# Allegro board RK_NVR_DEMO_RK3568_DDR4P216SD4_V12_20201221YWQ_final.brd (continued)
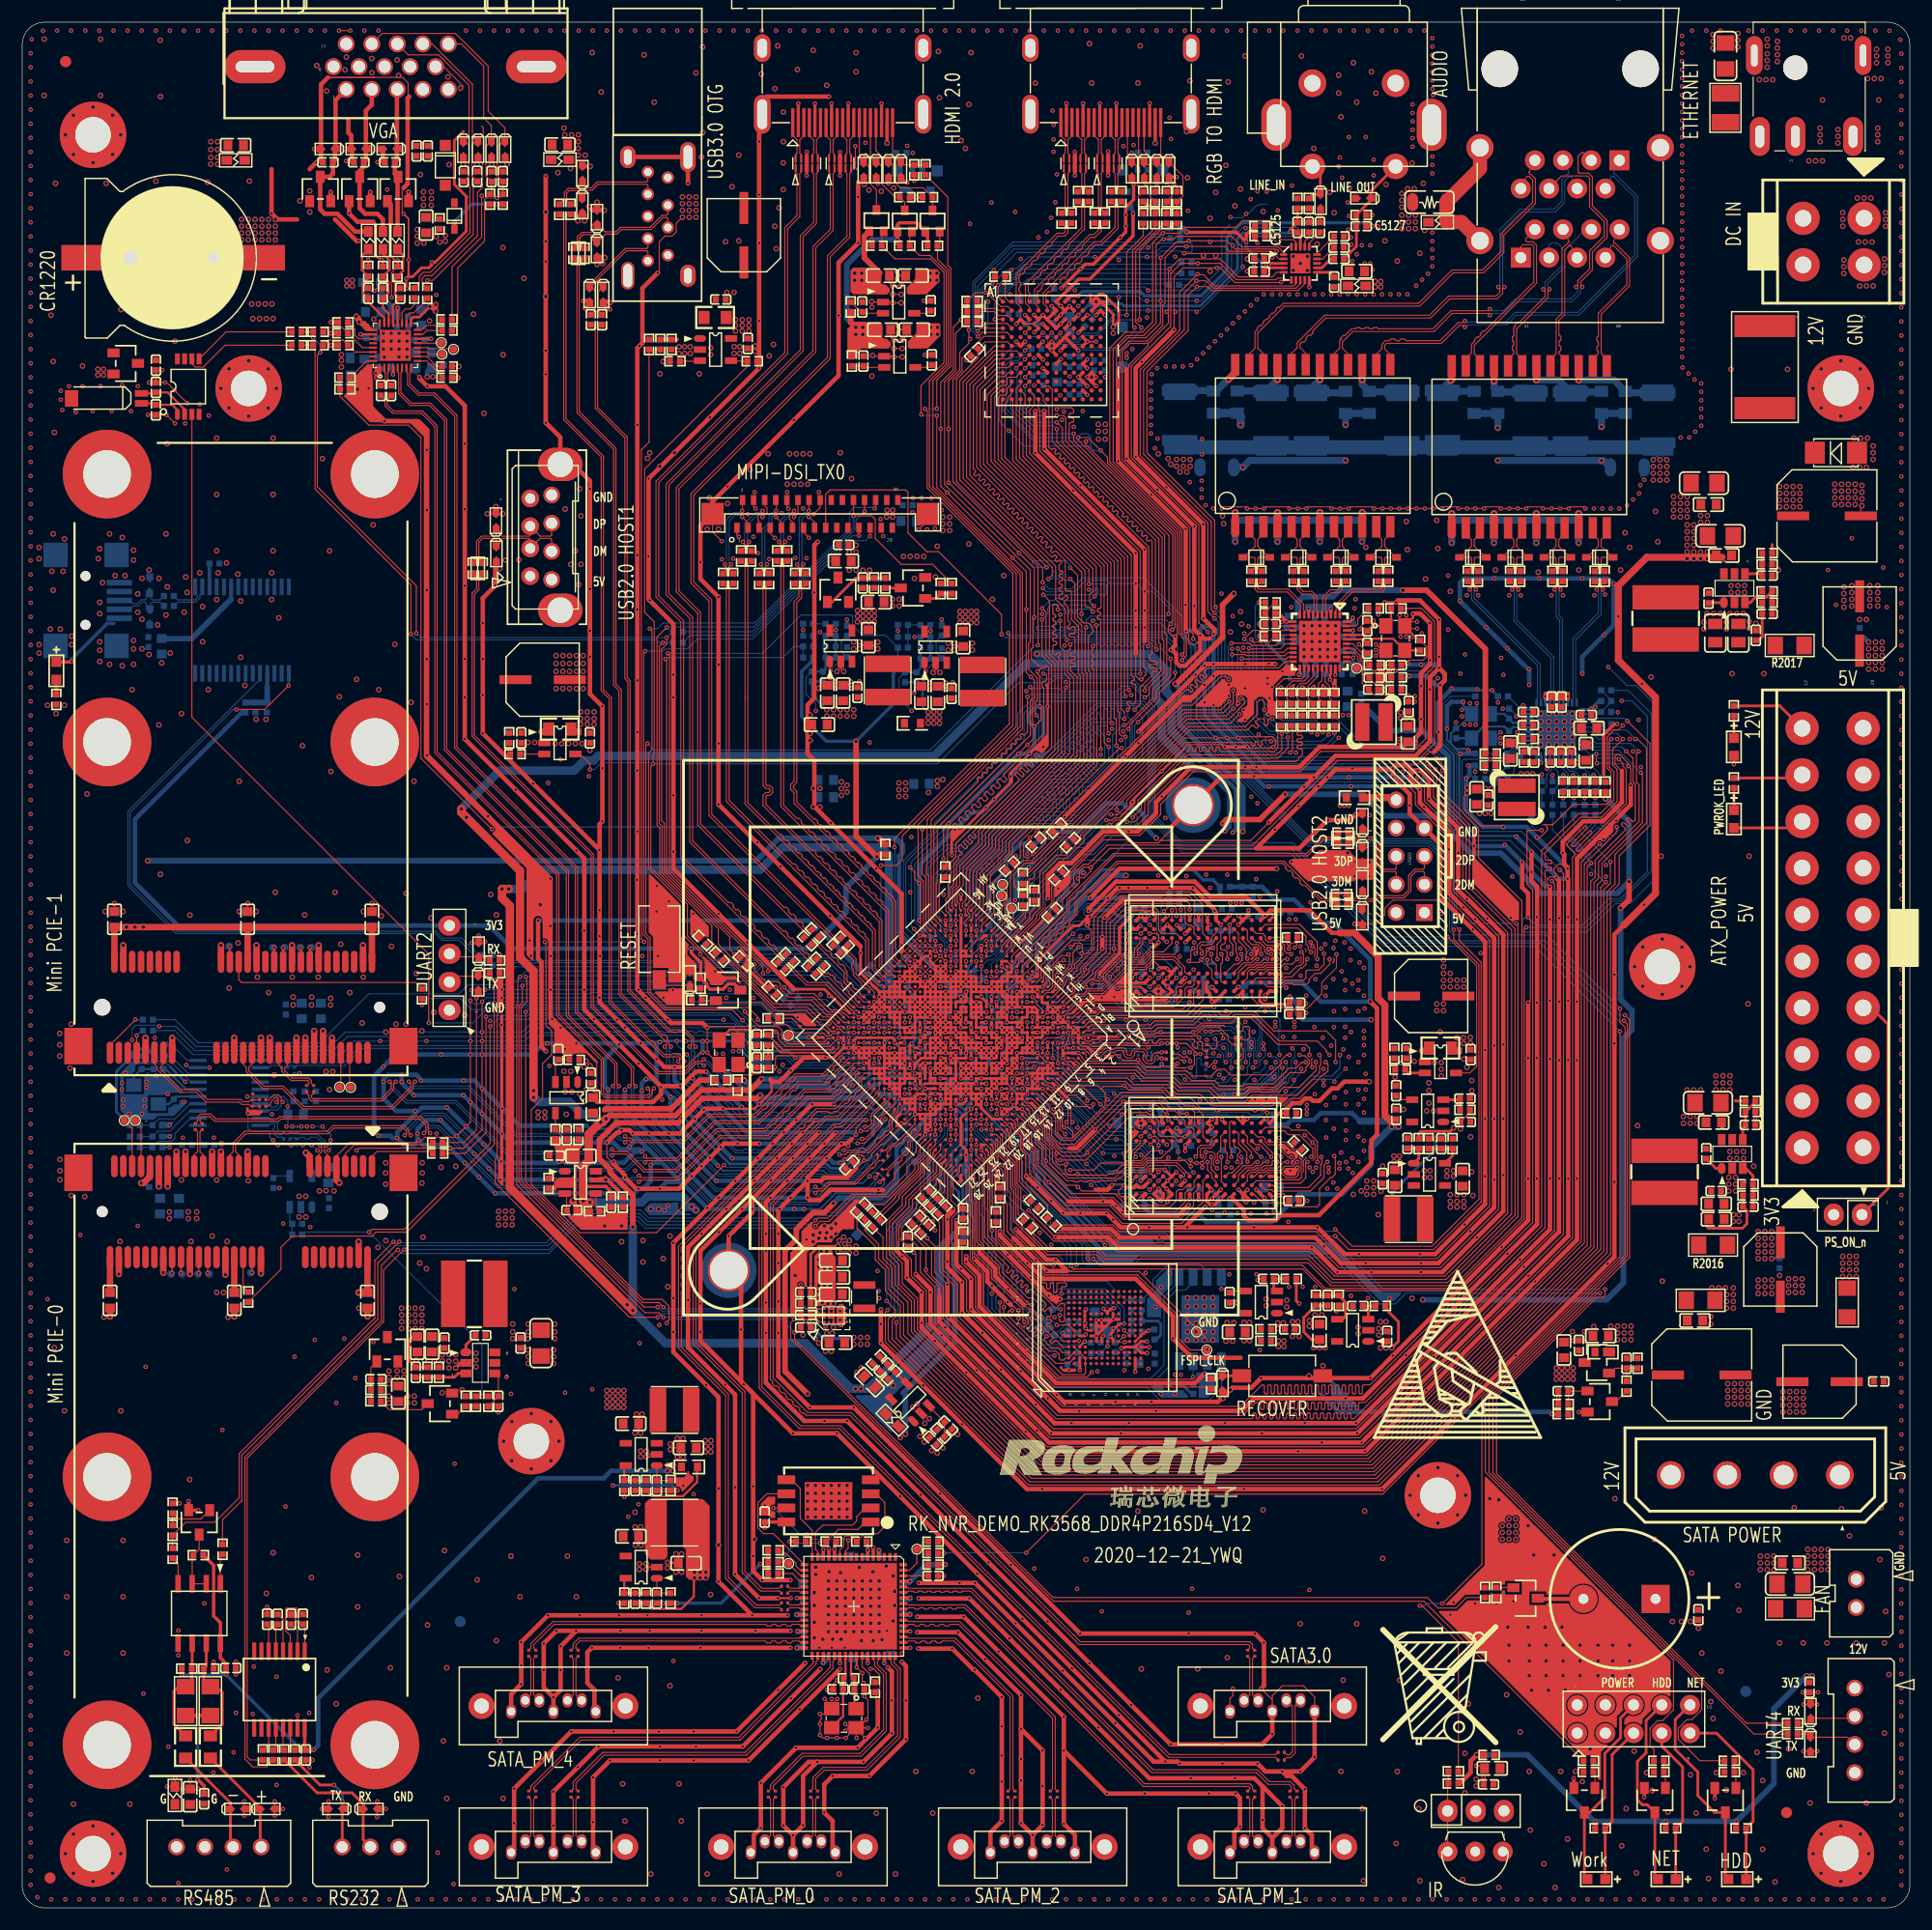
[diagram p0: board, top side]
## Routing (per net, layer and track width the routed paths; a pad name or vN(x,y) marks a point on that pad's centre or on a via; arc(x,y) is an arc through that point) (continued)
LCDC_D2: length 71.6
  TOP w0.102: v1(99.42,109.22) 99.31,109.32 99.31,121.69 90.17,130.84 90.17,135.33 90.37,135.53 90.37,136.37 U5100.L3 ; U1000.AC8 v1(83.66,85.79)
  BOTTOM w0.089: v1(83.66,85.79) 83.2,85.79 82.4,86.59 80.8,86.59 80.02,87.36
  BOTTOM w0.102: 80.02,87.36 79.4,87.99 79.4,94.4 82.22,97.22 82.22,97.82 89.7,105.3 89.7,107.64 91.19,109.12 99.31,109.12 v1(99.42,109.22)
LCDC_D3: length 70.5
  TOP w0.102: U1000.AC7 v1(84.12,86.25) ; v1(98.6,104.77) 98.58,104.8 98.58,107.11 98.4,107.29 98.4,121.31 89.26,130.46 89.26,135.89 U5100.M2
  BOTTOM w0.089: v1(84.12,86.25) 84.27,86.25 84.48,86.46 84.48,88.9 84.99,89.41 84.99,91.94
  BOTTOM w0.102: 84.99,91.94 84.99,93.32 91.39,99.72 91.67,99.72 92,99.39 92.13,99.39 92.22,99.48 92.22,99.61 91.89,99.94 91.89,100.06 91.98,100.15 92.1,100.15 92.43,99.82 92.56,99.82 92.65,99.91 92.65,100.04 92.32,100.37 92.32,100.5 92.41,100.59 92.53,100.59 92.86,100.25 92.99,100.25 93.08,100.34 93.08,100.47 92.75,100.8 92.75,100.93 92.9,101.08 93.31,101.08 93.4,100.99 93.4,100.47 93.49,100.38 93.62,100.38 93.71,100.47 93.71,100.99 93.8,101.08 93.92,101.08 94.01,100.99 94.01,100.37 94.1,100.28 94.23,100.28 94.32,100.37 94.32,100.99 94.41,101.08 94.53,101.08 94.62,100.99 94.62,100.47 94.71,100.38 94.84,100.38 94.93,100.47 94.93,100.99 95.02,101.08 95.14,101.08 95.23,100.99 95.23,100.47 95.32,100.38 95.45,100.38 95.54,100.47 95.54,100.99 95.63,101.08 96.25,101.08 98.7,103.53 98.7,104.64 98.6,104.75 v1(98.6,104.77)
LCDC_D4: length 68.2
  TOP w0.097: U1000.AF5 v1(83.66,88.55)
  TOP w0.102: v1(97.89,105.87) 97.79,105.97 97.79,121.11 88.24,130.66 88.24,135.86 U5100.M1
  BOTTOM w0.102: v1(97.89,105.87) 97.79,105.97 97.79,106.48 97.69,106.58 97.05,106.58 96.95,106.48 96.95,106.2 97.54,105.61 97.54,103.69 97.38,103.53 97.08,103.53 96.77,103.84 96.77,104.44 96.57,104.65 96.37,104.65 96.1,104.38 96.1,104.25 96.38,103.97 96.38,103.85 96.29,103.76 96.16,103.76 95.88,104.04 95.76,104.04 95.67,103.95 95.67,103.82 95.95,103.54 95.95,103.42 95.86,103.33 95.73,103.33 95.45,103.61 95.33,103.61 95.24,103.52 95.24,103.39 95.52,103.11 95.52,102.98 95.43,102.9 95.3,102.9 95.02,103.18 94.89,103.18 94.81,103.09 94.81,102.96 95.09,102.68 95.09,102.55 95,102.46 94.87,102.46 94.59,102.74 94.46,102.74 94.37,102.65 94.37,102.53 94.65,102.25 94.65,102.12 94.57,102.03 94.44,102.03 94.16,102.31 94.03,102.31 93.76,102.04 92.5,102.04 83.54,93.08 83.54,88.67 v1(83.66,88.55)
LCDC_D5: length 69.9
  TOP w0.102: U1000.AF6 v1(83.2,88.09) ; v1(98.2,106.78) 98.09,106.88 98.09,121.21 88.54,130.76 88.54,135.53 88.81,135.8 88.81,136.13 89.16,136.48 U5100.L2
  BOTTOM w0.089: 82.35,89.69 82.35,88.94 v1(83.2,88.09)
  BOTTOM w0.102: v1(98.2,106.78) 98.09,106.88 96.38,106.88 96.28,106.78 96.28,106.65 96.55,106.38 96.55,106.25 96.46,106.16 96.33,106.16 96.06,106.44 95.93,106.44 95.84,106.35 95.84,106.22 96.12,105.95 96.12,105.82 96.03,105.73 95.9,105.73 95.63,106.01 95.5,106.01 95.41,105.92 95.41,105.79 95.69,105.52 95.69,105.39 95.6,105.3 95.47,105.3 95.2,105.58 95.07,105.58 94.98,105.49 94.98,105.36 95.26,105.09 95.26,104.96 95.17,104.87 95.04,104.87 94.77,105.15 94.64,105.15 94.55,105.06 94.55,104.93 94.83,104.65 94.83,104.53 94.74,104.44 94.61,104.44 94.34,104.71 94.21,104.71 94.12,104.62 94.12,104.5 94.39,104.22 94.39,104.1 94.31,104.01 94.18,104.01 93.9,104.28 93.78,104.28 93.69,104.19 93.69,104.07 93.96,103.79 93.96,103.67 93.87,103.58 93.75,103.58 93.47,103.85 93.35,103.85 93.26,103.76 93.26,103.64 93.53,103.36 93.53,103.24 93.44,103.15 93.32,103.15 93.04,103.42 92.92,103.42 92.83,103.33 92.83,103.21 93.1,102.93 93.1,102.8 93.01,102.71 92.89,102.71 92.61,102.99 92.48,102.99 82.35,92.85 82.35,89.69
LCDC_D6: length 69.2
  TOP w0.102: U1000.AD6 v1(84.12,87.17) ; U5100.L1 88.17,136.79 87.63,136.25 87.63,130.45 97.2,120.88 97.2,117.22 97.09,117.11 96.96,117.11 96.88,117.02 96.88,116.9 96.96,116.81 97.09,116.81 97.18,116.72 97.18,116.59 97.09,116.5 96.96,116.5 96.88,116.41 96.88,116.29 96.96,116.2 97.09,116.2 97.18,116.11 v1(97.18,104.44)
  BOTTOM w0.089: v1(84.12,87.17) 84.28,87.32 84.28,87.47 83.15,88.6 83.05,88.6
  BOTTOM w0.102: 83.05,88.6 82.62,89.03 82.62,92.65 92.36,102.38 93.08,102.38 93.32,102.62 93.45,102.62 93.57,102.49 93.7,102.49 93.79,102.58 93.79,102.7 93.66,102.83 93.66,102.96 93.75,103.05 93.88,103.05 94,102.92 94.13,102.92 94.22,103.01 94.22,103.13 94.09,103.26 94.09,103.39 94.18,103.48 94.31,103.48 94.44,103.35 94.56,103.35 94.65,103.44 94.65,103.57 94.52,103.69 94.52,103.82 94.61,103.91 94.74,103.91 94.87,103.78 94.99,103.78 95.08,103.87 95.08,104 94.95,104.12 94.95,104.25 95.04,104.34 95.17,104.34 95.3,104.21 95.42,104.21 95.51,104.3 95.51,104.43 95.39,104.56 95.39,104.68 95.48,104.77 95.6,104.77 95.73,104.64 95.86,104.64 95.94,104.73 95.94,104.86 95.82,104.99 95.82,105.11 95.91,105.2 96.03,105.2 96.16,105.07 96.29,105.07 96.38,105.16 96.38,105.29 96.25,105.42 96.25,105.54 96.65,105.95 96.79,105.95 97.18,105.56 v1(97.18,104.44)
LCDC_D7: length 72.2
  TOP w0.102: v1(93.22,134.52) 93.83,134.52 94.03,134.32 94.03,132.21 102.71,123.53 102.71,114.36 102.87,114.2 102.87,111.35 101.55,110.03 101.55,109.42 101.24,109.12 v1(101.14,109.12) ; U5100.K4 v1(90.36,137.19) ; v1(90.83,110.03) 90.98,109.88 90.98,108.98 90.83,108.83 90.83,105.7 82.45,97.32 82.45,92.4 82.35,92.3 82.35,89.85 82.35,89.4 U1000.AH5
  BOTTOM w0.102: v1(90.36,137.19) 90.36,135.14 90.98,134.52 v1(93.22,134.52) ; v1(101.14,109.12) 100.94,109.32 100.84,109.32 100.03,110.13 99.11,110.13 98.62,109.64 93.71,109.64 93.42,109.93 90.94,109.93 v1(90.83,110.03)
LCDC_D8: length 71.7
  TOP w0.102: U5100.K3 89.96,137.36 89.56,136.96 89.56,130.59 98.7,121.44 98.7,107.9 98.86,107.75 98.86,105.82 99.03,105.64 99.31,105.64 99.39,105.56 v1(99.41,105.56) ; U1000.AB8 v1(84.12,85.33)
  BOTTOM w0.089: 85.29,89.31 84.68,88.7 84.68,86.3 84.28,85.89 84.28,85.48 v1(84.12,85.33)
  BOTTOM w0.102: 85.29,89.31 85.29,93.24 91.11,99.06 92.78,99.06 92.87,99.15 92.87,99.89 92.96,99.97 93.09,99.97 93.18,99.89 93.18,99.15 93.27,99.06 93.39,99.06 93.48,99.15 93.48,99.89 93.57,99.97 93.7,99.97 93.79,99.89 93.79,99.15 93.88,99.06 94,99.06 94.09,99.15 94.09,99.89 94.18,99.97 94.31,99.97 94.4,99.89 94.4,99.15 94.49,99.06 94.64,99.06 95.04,99.46 95.04,99.59 94.76,99.87 94.76,100 94.85,100.09 94.98,100.09 95.26,99.81 95.39,99.81 95.91,100.33 95.91,100.45 95.83,100.53 95.83,100.66 95.92,100.74 96.04,100.74 96.12,100.67 96.25,100.67 99.01,103.43 99.01,103.94 99.41,104.34 v1(99.41,105.56)
LCDC_D9: length 68.5
  TOP w0.102: U1000.AE5 v1(84.12,88.09) ; v1(97.89,104.65) 97.49,105.05 97.49,121.01 87.93,130.56 87.93,136.14 88.14,136.35 88.54,136.35 88.75,136.55 88.75,136.96 89.16,137.37 U5100.K2
  BOTTOM w0.089: v1(84.12,88.09) 84.28,88.24 84.28,88.39 83.74,88.93
  BOTTOM w0.102: 83.74,88.93 83.74,89.7 83.86,89.82 83.86,92.95 92.63,101.72 94.97,101.72 95.06,101.81 95.06,102.02 95.15,102.11 95.27,102.11 95.36,102.02 95.36,101.81 95.45,101.72 95.98,101.72 96.04,101.78 96.04,101.91 95.51,102.45 95.51,102.57 95.6,102.66 95.73,102.66 96.26,102.13 96.39,102.13 96.48,102.22 96.48,102.34 95.94,102.88 95.94,103 96.03,103.09 96.16,103.09 96.69,102.56 96.82,102.56 96.91,102.65 96.91,102.77 96.37,103.31 96.37,103.43 96.46,103.52 96.59,103.52 97.12,102.99 97.25,102.99 97.89,103.63 v1(97.89,104.65)
LCDC_D10: length 67.7
  TOP w0.102: U1000.AG4 83.66,89.47 83.23,89.9 83.23,90.92 83.44,91.12 83.44,92.24 83.67,92.47 83.67,94.28 84.12,94.74 84.12,95.97 89.81,101.65 89.81,101.78 89.48,102.1 89.48,102.23 89.57,102.32 89.69,102.32 90.02,101.99 90.15,101.99 90.24,102.08 90.24,102.21 89.91,102.53 89.91,102.66 90,102.75 90.13,102.75 90.45,102.42 90.58,102.42 90.67,102.51 90.67,102.64 90.34,102.97 90.34,103.09 90.43,103.18 90.56,103.18 90.88,102.86 91.01,102.86 91.1,102.94 91.1,103.07 90.77,103.4 90.77,103.52 90.86,103.61 90.99,103.61 91.31,103.29 91.44,103.29 91.53,103.38 91.53,103.5 91.2,103.83 91.2,103.95 91.29,104.04 91.42,104.04 91.75,103.72 91.87,103.72 92.75,104.6 92.75,112.02 91.88,112.89 v1(91.88,116.14) ; v1(96.57,117.35) 96.16,117.75 96.16,118.37 96.47,118.67 96.47,120.73 86.94,130.25 86.94,136.37 88.16,137.59 U5100.K1
  BOTTOM w0.102: v1(91.88,116.14) 91.89,116.14 92.4,116.64 92.4,117.14 92.71,117.45 96.47,117.45 v1(96.57,117.35)
LCDC_D11: length 67.8
  TOP w0.102: U5100.J4 v1(90.36,137.99) ; v1(93.22,135.08) 93.36,135.22 94.55,135.22 94.74,135.03 94.74,134.82 94.64,134.72 94.44,134.72 94.34,134.62 94.34,134.42 94.44,134.32 94.64,134.32 94.74,134.21 94.74,134.01 94.64,133.91 94.44,133.91 94.34,133.81 94.34,132.34 102.94,123.74 102.94,114.95 103.13,114.75 103.13,111.1 101.85,109.83 101.85,109.02 99.44,106.6 99.3,106.6 v1(99.29,106.61) ; U1000.AF4 v1(84.12,89.01)
  BOTTOM w0.102: v1(99.29,106.61) 99.26,106.59 99.12,106.59 98.24,105.71 98.24,103.58 96.1,101.44 92.75,101.44 84.22,92.9 84.22,89.69 84.12,89.6 v1(84.12,89.01) ; v1(93.22,135.08) 92.96,135.33 92.07,135.33 90.8,136.6 90.8,137.54 v1(90.36,137.99)
LCDC_D12: length 66.4
  TOP w0.102: U5100.J3 89.55,137.97 88.85,137.97 88.75,137.87 88.75,137.36 88.62,137.23 88.21,137.23 87.3,136.32 87.3,130.38 96.77,120.9 96.77,118.37 v1(96.63,118.23) ; U1000.AH3 83.46,90.13 83.46,90.72 83.64,90.9 83.64,91.97 83.94,92.28 83.94,94.16 84.38,94.59 84.38,94.81 84.47,94.9 84.59,94.9 84.68,94.99 84.68,95.11 84.59,95.2 84.47,95.2 84.38,95.29 84.38,95.71 84.48,95.81 84.61,95.81 84.94,95.48 85.06,95.48 85.15,95.57 85.15,95.69 84.82,96.02 84.82,96.15 84.91,96.24 85.04,96.24 85.37,95.91 85.5,95.91 85.58,96 85.58,96.12 85.25,96.46 85.25,96.58 85.34,96.67 85.47,96.67 85.7,96.44 85.82,96.44 85.91,96.53 85.91,96.66 85.68,96.89 85.68,97.01 93.06,104.38 93.06,112.13 92.25,112.93 92.25,116.79 v1(91.9,117.14)
  BOTTOM w0.102: v1(96.63,118.23) 96.26,117.86 93.83,117.86 93.62,118.06 93.22,118.06 93.01,117.86 92.61,117.86 v1(91.9,117.14)
LCDC_D13: length 67.1
  TOP w0.102: v1(96.11,119.33) 96.11,120.62 86.61,130.12 86.61,136.65 88,138.03 88.51,138.03 88.86,138.39 U5100.J2 ; v1(92,118.36) 92.55,117.81 92.55,113.03 93.33,112.25 93.33,104.26 86.18,97.1 86.18,95.98 84.18,93.98 84.18,92.18 83.84,91.85 83.84,90.72 83.74,90.62 83.74,90.31 84.12,89.93 U1000.AG3
  BOTTOM w0.102: v1(96.11,119.33) 97.59,119.33 97.69,119.23 97.69,118.47 97.59,118.36 97.02,118.36 96.93,118.45 96.93,118.88 96.84,118.97 96.71,118.97 96.62,118.88 96.62,118.72 96.27,118.36 v1(92,118.36)
LCDC_D14: length 66.3
  TOP w0.102: v1(93.32,117.04) 93.32,117.35 93.16,117.51 92.96,117.51 92.86,117.41 92.86,116.7 92.96,116.6 93.03,116.6 93.12,116.51 93.12,116.38 93.03,116.29 92.95,116.29 92.86,116.2 92.86,116.08 92.95,115.99 93.03,115.99 93.12,115.9 93.12,115.77 93.03,115.68 92.95,115.68 92.86,115.59 92.86,115.47 92.95,115.38 93.03,115.38 93.12,115.29 93.12,115.16 93.03,115.07 92.95,115.07 92.86,114.98 92.86,114.86 92.95,114.77 93.13,114.77 93.22,114.68 93.22,114.55 93.13,114.46 92.95,114.46 92.86,114.37 92.86,114.25 92.95,114.16 93.13,114.16 93.22,114.07 93.22,113.94 93.13,113.85 92.95,113.85 92.86,113.76 92.86,113.13 93.02,112.97 93.15,112.97 93.32,113.15 93.45,113.15 93.54,113.06 93.54,112.94 93.36,112.76 93.36,112.63 93.64,112.36 93.64,104.15 86.48,97 86.48,95.88 84.48,93.88 84.48,92.16 84.05,91.73 84.05,90.46 U1000.AH2 ; v1(96.47,116.84) 96.47,116.94 96.16,117.25 95.86,117.25 95.76,117.35 95.76,120.54 86.31,129.99 86.31,136.86 87.84,138.39 U5100.J1
  BOTTOM w0.102: v1(96.47,116.84) 96.37,116.84 96.12,117.09 95.7,117.09 95.65,117.04 95.04,117.04 94.95,116.95 94.95,116.73 94.86,116.64 94.73,116.64 94.65,116.73 94.65,116.95 94.56,117.04 94.43,117.04 94.34,116.95 94.34,116.73 94.25,116.64 94.12,116.64 94.04,116.73 94.04,116.95 93.95,117.04 v1(93.32,117.04)
LCDC_D15: length 68.6
  TOP w0.102: v1(94.03,109.99) 93.94,109.9 93.94,104.05 86.79,96.9 86.79,95.78 84.79,93.78 84.79,92.18 84.25,91.65 84.25,90.72 84.45,90.51 84.45,90.05 U1000.AG2 ; U5100.H4 v1(90.36,138.79) ; v1(93.22,133.91) 93.73,133.4 93.73,132.08 102.41,123.4 102.41,114.05 102.57,113.89 102.57,111.46 101.15,110.04 v1(101.15,109.73)
  BOTTOM w0.102: v1(93.22,133.91) 91.19,133.91 89.97,135.13 89.97,138.39 v1(90.36,138.79) ; v1(101.15,109.73) 100.74,109.73 100.03,110.44 94.48,110.44 v1(94.03,109.99)
LCDC_D16: length 68.2
  TOP w0.102: v1(94.44,113.89) 94.44,113.49 94.18,113.23 94.18,111.4 94.74,110.85 94.74,103.98 87.4,96.64 87.4,95.58 85.39,93.57 85.39,91.94 85.39,91.54 85.39,90.74 U1000.AG1 ; v1(102.21,113.44) 102.21,113.46 102.11,113.56 102.11,123.29 93.22,132.18 v1(93.22,133.3) ; U5100.H3 v1(89.56,138.79)
  BOTTOM w0.102: v1(89.56,138.79) 89.66,138.68 89.66,135 91.06,133.6 92.91,133.6 v1(93.22,133.3) ; v1(102.21,113.44) 102.21,113.45 101.56,114.1 94.64,114.1 v1(94.44,113.89)
LCDC_D17: length 67.2
  TOP w0.102: v1(95.45,116.64) 95.45,120.42 86,129.87 86,137.01 87.83,138.83 88.81,138.83 U5100.H2 ; U1000.AF2 84.96,89.55 84.96,90 84.71,90.25 84.71,90.51 85.09,90.89 85.09,93.68 87.09,95.68 87.09,96.77 94.38,104.06 94.38,110.8 93.93,111.25 93.93,113.28 93.52,113.69 v1(93.52,116.03)
  BOTTOM w0.102: v1(95.45,116.64) 95.45,115.93 94.97,115.44 93.64,115.44 93.38,115.17 91.47,115.17 91.37,115.27 91.37,115.42 91.47,115.52 93.01,115.52 93.22,115.72 93.22,115.93 93.32,116.03 v1(93.52,116.03)
LCDC_D18: length 67.6
  TOP w0.102: U5100.H1 87.68,139.19 85.7,137.2 85.7,129.74 85.89,129.55 85.89,129.42 85.77,129.29 85.77,129.17 85.86,129.08 85.98,129.08 86.11,129.2 86.23,129.2 86.32,129.12 86.32,128.99 86.2,128.86 86.2,128.74 86.29,128.65 86.41,128.65 86.54,128.77 86.66,128.77 86.75,128.68 86.75,128.56 86.63,128.43 86.63,128.31 86.72,128.22 86.84,128.22 86.97,128.34 87.1,128.34 87.18,128.25 87.18,128.13 87.06,128 87.06,127.88 87.15,127.79 87.27,127.79 87.4,127.91 87.53,127.91 87.62,127.82 87.62,127.7 87.49,127.57 87.49,127.44 87.58,127.36 87.71,127.36 87.83,127.48 87.96,127.48 88.05,127.39 88.05,127.27 87.92,127.14 87.92,127.01 88.01,126.92 88.14,126.92 88.26,127.05 88.39,127.05 88.48,126.96 88.48,126.83 88.35,126.71 88.35,126.58 88.44,126.49 88.57,126.49 88.69,126.62 88.82,126.62 88.91,126.53 88.91,126.4 88.78,126.28 88.78,126.15 88.87,126.06 89,126.06 89.12,126.19 89.25,126.19 89.34,126.1 89.34,125.97 89.21,125.85 89.21,125.72 89.3,125.63 89.43,125.63 89.56,125.76 89.68,125.76 89.77,125.67 89.77,125.54 89.65,125.42 89.65,125.29 89.74,125.2 89.86,125.2 89.99,125.33 90.11,125.33 90.2,125.24 90.2,125.11 90.08,124.98 90.08,124.86 90.17,124.77 90.29,124.77 90.42,124.89 90.54,124.89 90.63,124.8 90.63,124.68 90.51,124.55 90.51,124.43 90.6,124.34 90.72,124.34 90.85,124.46 90.98,124.46 91.06,124.37 91.06,124.25 90.94,124.12 90.94,124 91.03,123.91 91.15,123.91 91.28,124.03 91.41,124.03 91.5,123.94 91.5,123.82 91.37,123.69 91.37,123.56 91.46,123.48 91.59,123.48 91.71,123.6 91.84,123.6 91.93,123.51 91.93,123.39 91.8,123.26 91.8,123.13 91.89,123.04 92.02,123.04 92.14,123.17 92.27,123.17 92.36,123.08 92.36,122.95 92.23,122.83 92.23,122.7 92.32,122.61 92.45,122.61 92.57,122.74 92.7,122.74 92.79,122.65 92.79,122.52 92.66,122.4 92.66,122.27 92.75,122.18 92.88,122.18 93,122.31 93.13,122.31 93.98,121.45 93.98,118.82 94.09,118.72 94.44,118.72 94.54,118.62 94.54,116.13 95.17,115.5 95.17,111.23 95.33,111.07 95.33,103.71 88.01,96.39 88.01,95.39 86,93.39 86,90.43 U1000.AF1
LCDC_D19: length 71
  TOP w0.102: v1(95.86,115.42) 95.78,115.33 95.78,111.44 95.94,111.28 95.94,103.45 88.62,96.14 88.62,95.19 86.61,93.18 86.61,90.12 U1000.AE1 ; U5100.G4 v1(90.36,139.59) ; v1(94.74,132.89) 94.74,132.28 103.32,123.7 103.32,116.66 v1(103.3,116.64)
  BOTTOM w0.102: v1(95.86,115.42) 95.86,116.03 96.27,116.43 103.12,116.43 103.3,116.61 v1(103.3,116.64) ; v1(90.36,139.59) 90.04,139.27 89.23,139.27 89.05,139.09 89.05,135.13 91.29,132.89 v1(94.74,132.89)
LCDC_D20: length 67.7
  TOP w0.102: v1(92.45,119.79) 92.81,120.14 92.81,120.83 84.79,128.85 84.79,137.57 87.56,140.34 89.61,140.34 U5100.G3 ; v1(94.44,119.79) 94.84,119.38 94.84,116.23 95.47,115.6 95.47,111.34 95.63,111.17 95.63,103.58 88.31,96.26 88.31,95.29 86.31,93.28 86.31,90.27 85.65,89.61 85.65,89.15 U1000.AE2
  BOTTOM w0.102: v1(92.45,119.79) 92.77,119.79 92.86,119.88 92.86,120.41 92.95,120.5 93.07,120.5 93.16,120.41 93.16,119.88 93.25,119.79 93.38,119.79 93.47,119.88 93.47,120.41 93.56,120.5 93.68,120.5 93.77,120.41 93.77,119.79 93.88,119.68 94.34,119.68 v1(94.44,119.79)
LCDC_D21: length 69.4
  TOP w0.102: U1000.AE3 84.89,88.7 84.89,88.85 85.39,89.36 85.39,89.56 85.16,89.79 85.16,90.03 85.7,90.57 85.7,91.85 85.7,93.47 87.7,95.48 87.7,96.51 95.05,103.86 95.05,110.95 94.44,111.56 94.44,111.82 94.53,111.9 94.77,111.9 94.86,111.99 94.86,112.12 94.77,112.21 94.53,112.21 94.44,112.3 94.44,112.43 94.53,112.51 94.77,112.51 94.86,112.6 94.86,112.73 94.77,112.82 94.53,112.82 94.44,112.91 94.44,113.03 94.53,113.12 94.77,113.12 94.86,113.21 94.86,114.47 94.77,114.56 94.42,114.56 94.34,114.65 94.34,114.78 94.42,114.87 94.77,114.87 94.86,114.96 94.86,115.4 94.76,115.5 94.63,115.5 94.4,115.27 94.28,115.27 94.19,115.36 94.19,115.49 94.42,115.72 94.42,115.84 94.23,116.03 94.23,117.25 93.89,117.59 93.89,117.72 94.22,118.05 94.22,118.18 94.13,118.27 94,118.27 93.67,117.94 93.54,117.94 93.42,118.06 93.42,118.32 93.51,118.41 93.64,118.41 93.73,118.49 93.73,118.62 93.64,118.71 93.51,118.71 93.42,118.8 93.42,118.93 93.51,119.01 93.64,119.01 93.73,119.1 93.73,119.23 93.64,119.32 93.51,119.32 93.42,119.41 93.42,119.53 93.51,119.62 93.64,119.62 93.73,119.71 93.73,119.84 93.64,119.93 93.51,119.93 93.42,120.02 93.42,120.14 93.51,120.23 93.64,120.23 93.73,120.32 93.73,120.45 93.64,120.54 93.51,120.54 93.42,120.63 93.42,121.05 93.64,121.27 93.64,121.4 93.55,121.48 93.43,121.48 93.3,121.36 93.17,121.36 93.08,121.45 93.08,121.57 93.21,121.7 93.21,121.83 93.12,121.92 92.99,121.92 92.87,121.79 92.74,121.79 85.39,129.13 85.39,137.33 87.7,139.63 89.06,139.63 89.16,139.74 U5100.G2
LCDC_D22: length 76.2
  TOP w0.102: v1(99.67,106.27) 99.7,106.27 99.8,106.38 99.8,106.66 102.16,109.02 102.16,109.73 103.48,111.05 v1(103.48,112.6) ; U5100.G1 87.61,139.99 85.09,137.46 85.09,128.98 93.12,120.95 93.12,117.96 93.93,117.14 93.93,114.66 94.13,114.46 v1(94.13,114.3) ; U1000.AD4 v1(85.04,88.09)
  BOTTOM w0.089: v1(85.04,88.09) 85.04,88.75 85.6,89.31 85.6,91.83
  BOTTOM w0.102: v1(103.48,112.6) 103.48,112.66 101.84,114.3 v1(94.13,114.3) ; v1(99.67,106.27) 99.82,106.12 99.82,103.73 94.89,98.81 91.24,98.81 85.6,93.17 85.6,91.83
LCDC_D23: length 68.6
  TOP w0.102: U5100.F1 87.6,140.79 84.48,137.67 84.48,128.73 92.3,120.9 v1(92.3,120.84) ; U1000.AD2 85.96,89.01 86.92,89.96 86.92,93.08 88.92,95.09 88.92,96.01 96.24,103.33 96.24,111.38 96.06,111.56 96.06,114.6 96.47,115.01 96.47,115.42 96.06,115.82 95.66,115.82 95.1,116.38 95.1,120.14 v1(94.44,120.8)
  BOTTOM w0.102: v1(92.3,120.84) 91.12,120.84 91.02,120.94 91.02,121.31 91.12,121.41 94.03,121.41 94.44,121.01 v1(94.44,120.8)
LCDC_DEN: length 70
  TOP w0.102: U5100.L4 91.19,136.36 91.19,135.43 90.78,135.03 90.78,131.09 99.92,121.95 99.92,111.15 100.21,110.86 100.21,110.72 100.11,110.61 100.01,110.61 99.92,110.52 99.92,110.4 100.01,110.31 100.24,110.31 100.33,110.22 100.33,108.71 100.13,108.51 100.01,108.51 99.78,108.74 99.65,108.74 99.56,108.65 99.56,108.53 99.79,108.3 99.79,108.17 v1(99.62,108) ; U1000.AC4 v1(85.5,87.63)
  BOTTOM w0.089: v1(85.5,87.63) 85.5,88.09 85.9,88.49 85.9,91.52
  BOTTOM w0.102: 85.9,91.52 85.9,93.09 86.09,93.28 86.22,93.28 86.47,93.03 86.6,93.03 86.69,93.11 86.69,93.24 86.43,93.5 86.43,93.62 86.52,93.71 86.65,93.71 86.9,93.46 87.03,93.46 87.12,93.55 87.12,93.67 86.87,93.93 86.87,94.05 86.95,94.14 87.08,94.14 87.34,93.89 87.46,93.89 87.55,93.98 87.55,94.1 87.3,94.36 87.3,94.48 90.8,97.99 91.01,97.99 91.1,98.08 91.1,98.28 91.19,98.37 91.31,98.37 91.4,98.28 91.4,98.08 91.49,97.99 91.62,97.99 91.71,98.08 91.71,98.41 91.8,98.5 91.92,98.5 92.01,98.41 92.01,98.08 92.1,97.99 92.23,97.99 92.32,98.08 92.32,98.41 92.41,98.5 92.53,98.5 92.62,98.41 92.62,98.08 92.71,97.99 92.84,97.99 92.93,98.08 92.93,98.41 93.02,98.5 93.14,98.5 93.23,98.41 93.23,98.08 93.32,97.99 94.59,97.99 94.66,98.07 94.66,98.19 94.52,98.34 94.52,98.46 94.61,98.55 94.73,98.55 94.88,98.41 95,98.41 100.03,103.43 100.03,106.96 99.57,107.42 99.57,107.95 v1(99.62,108)
LCDC_HSYNC: length 68.4
  TOP w0.102: v1(101.45,113.72) 101.5,113.77 101.5,122.67 98.65,125.52 98.65,125.65 98.73,125.73 98.73,125.86 98.64,125.95 98.51,125.95 98.43,125.86 98.3,125.86 98.22,125.95 98.22,126.08 98.3,126.16 98.3,126.29 98.21,126.38 98.08,126.38 98,126.3 97.87,126.3 97.78,126.38 97.78,126.51 97.87,126.59 97.87,126.72 97.78,126.81 97.65,126.81 97.57,126.73 97.44,126.73 97.35,126.82 97.35,126.94 97.44,127.02 97.44,127.15 97.35,127.24 97.22,127.24 97.14,127.16 97.01,127.16 96.92,127.25 96.92,127.37 97,127.46 97,127.58 96.92,127.67 96.79,127.67 96.71,127.59 96.58,127.59 96.49,127.68 96.49,127.8 96.57,127.89 96.57,128.01 96.48,128.1 96.36,128.1 96.28,128.02 96.15,128.02 96.06,128.11 96.06,128.24 96.14,128.32 96.14,128.44 96.05,128.53 95.93,128.53 95.84,128.45 95.72,128.45 95.63,128.54 95.63,128.67 95.71,128.75 95.71,128.88 95.62,128.96 95.5,128.96 95.41,128.88 95.29,128.88 95.2,128.97 95.2,129.1 95.28,129.18 95.28,129.31 95.19,129.4 95.07,129.4 94.98,129.31 94.86,129.31 94.77,129.4 94.77,129.53 94.85,129.61 94.85,129.74 94.76,129.83 94.63,129.83 94.55,129.74 94.42,129.74 94.34,129.83 94.34,129.96 94.42,130.04 94.42,130.17 94.33,130.26 94.2,130.26 94.12,130.17 93.99,130.17 93.9,130.26 93.9,130.39 93.99,130.47 93.99,130.6 93.9,130.69 93.77,130.69 93.69,130.61 93.56,130.61 93.47,130.7 93.47,130.82 93.56,130.9 93.56,131.03 93.47,131.12 93.34,131.12 93.26,131.04 93.13,131.04 93.04,131.13 93.04,131.25 93.13,131.34 93.13,131.46 93.04,131.55 92.91,131.55 92.83,131.47 92.7,131.47 92.51,131.66 92.51,135.33 92,135.84 92,136.35 U5100.L5 ; U1000.AD1 87.18,89.76 87.22,89.81 87.22,90.2 87.22,93.07 89.23,95.07 89.23,95.88 96.55,103.2 96.55,111.65 96.46,111.74 96.46,111.74 96.37,111.83 96.37,111.95 96.46,112.04 96.46,112.04 96.55,112.13 96.55,112.26 96.46,112.35 96.46,112.35 96.37,112.44 96.37,112.56 96.46,112.65 96.46,112.65 96.55,112.74 96.55,112.87 96.46,112.96 96.46,112.96 96.37,113.05 96.37,113.39 96.47,113.49 v1(96.47,113.74)
  BOTTOM w0.102: v1(96.47,113.74) 96.62,113.89 96.99,113.89 97.08,113.8 97.08,113.78 97.17,113.69 97.3,113.69 97.39,113.78 97.39,113.8 97.47,113.89 97.6,113.89 97.69,113.8 97.69,113.78 97.78,113.69 97.91,113.69 97.99,113.78 97.99,113.8 98.08,113.89 98.21,113.89 98.3,113.8 98.3,113.78 98.39,113.69 98.52,113.69 98.6,113.78 98.6,113.8 98.69,113.89 98.82,113.89 98.91,113.8 98.91,113.78 99,113.69 99.12,113.69 99.21,113.78 99.21,113.8 99.3,113.89 99.43,113.89 99.52,113.8 99.52,113.78 99.61,113.69 99.73,113.69 99.82,113.78 99.82,113.8 99.91,113.89 100.04,113.89 100.13,113.8 100.13,113.78 100.22,113.69 100.34,113.69 100.43,113.78 100.43,113.8 100.52,113.89 100.65,113.89 100.74,113.8 100.74,113.78 100.83,113.69 100.95,113.69 101.04,113.78 101.04,113.8 101.13,113.89 101.27,113.89 v1(101.45,113.72)
LCDC_VSYNC: length 72.8
  TOP w0.102: v1(100.23,108) 100.74,108.51 100.74,110.03 101.8,111.1 101.8,111.38 101.89,111.47 102.17,111.47 102.26,111.56 102.26,111.68 102.17,111.77 101.63,111.77 101.54,111.86 101.54,111.99 101.63,112.08 102.17,112.08 102.26,112.17 102.26,112.29 102.17,112.38 101.67,112.38 101.57,112.48 101.57,112.85 101.8,113.08 101.8,123.19 101.71,123.28 101.58,123.28 101.51,123.21 101.38,123.21 101.29,123.29 101.29,123.42 101.37,123.5 101.37,123.62 101.28,123.71 101.15,123.71 101.08,123.64 100.95,123.64 100.86,123.73 100.86,123.85 100.94,123.93 100.94,124.06 100.85,124.14 100.72,124.14 100.65,124.07 100.52,124.07 100.43,124.16 100.43,124.28 100.51,124.36 100.51,124.49 100.42,124.58 100.29,124.58 100.21,124.5 100.09,124.5 100,124.59 100,124.71 100.08,124.79 100.08,124.92 99.99,125.01 99.86,125.01 99.78,124.93 99.66,124.93 99.57,125.02 99.57,125.15 99.64,125.22 99.64,125.35 99.56,125.44 99.43,125.44 99.35,125.36 99.23,125.36 99.14,125.45 99.14,125.58 99.21,125.65 99.21,125.78 92.81,132.18 92.81,136.86 92.51,137.16 91.99,137.16 U5100.K5 ; U1000.AA7 v1(85.04,85.33)
  BOTTOM w0.089: 86.51,90.91 86.51,88.18 84.9,86.57 84.9,86.07 84.58,85.75 84.58,85.06 84.71,84.94 84.89,84.94 85.04,85.09 v1(85.04,85.33)
  BOTTOM w0.102: v1(100.23,108) 100.94,107.29 100.94,103.53 94.95,97.54 91.04,97.54 88.14,94.64 88.14,93.8 86.51,92.18 86.51,90.91
LINE_IN: length 4
  TOP w0.254: R7000.2 116.28,154.44 D7000.1 116.97,156.26 J7001.2
LINE_OUT: length 10.3
  TOP w0.254: C7005.2 120.22,149.76 120.22,151.57 C5127.2 R7006.1 121.49,153.89 D7001.1 121.49,154.72 J7001.3
LINEIN: length 24.9
  TOP w0.254: R7000.1 R7001.1 C7000.2 114.25,151.28 v1(114.25,151.08)
  BOTTOM w0.254: v1(114.25,151.08) 114.15,150.98 109.99,150.98 109.5,150.5 109.5,147.75 106.15,144.4 99.22,144.4 99.05,144.58 C5125.2
MIPI_DSI_TX0_CLKN: length 7.5
  TOP w0.097: R5209.1 66.69,120.57 66.69,120.98 v1(66.57,121.1) ; J5200.8 67.96,126.84 67.96,125.97 v1(67.92,125.93)
  BOTTOM w0.097: v1(67.92,125.93) 67.77,125.78 67.53,125.78 67.29,125.53 67.29,124.84 66.67,124.22 66.67,121.21 v1(66.57,121.1)